# Altium PCB 机器人.PcbDoc (part 1 of 14)
Units mm, origin at the board's own origin, x right, y up, seen from the top; angles counter-clockwise.
Board outline 84 x 74 mm, 2 copper layers (Top Layer, Bottom Layer); 122 components, 143 nets, 23128 pads, 621 vias.
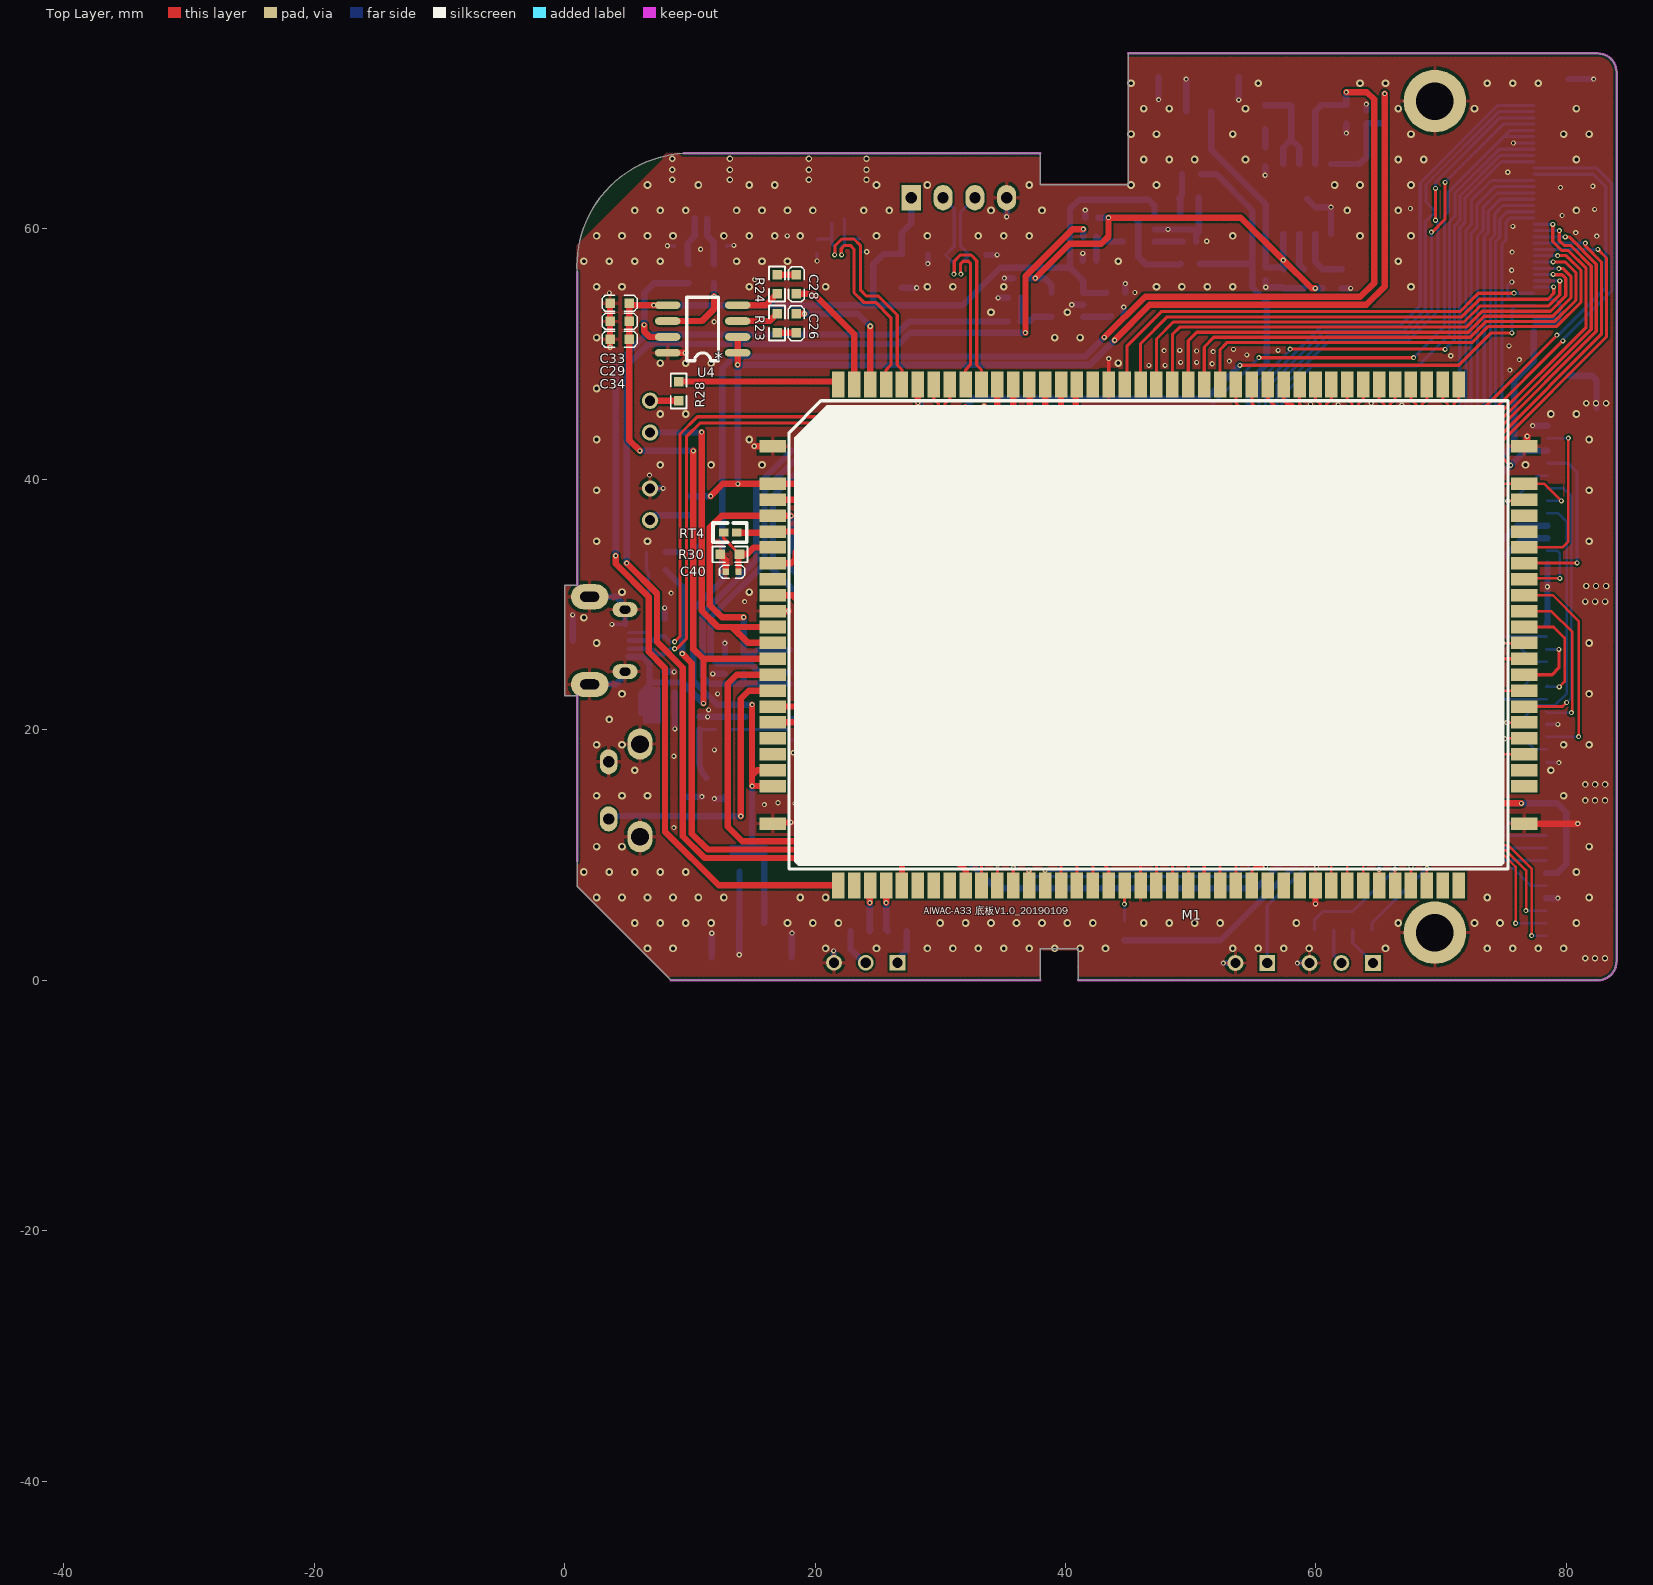
[diagram p0: Top Layer view]
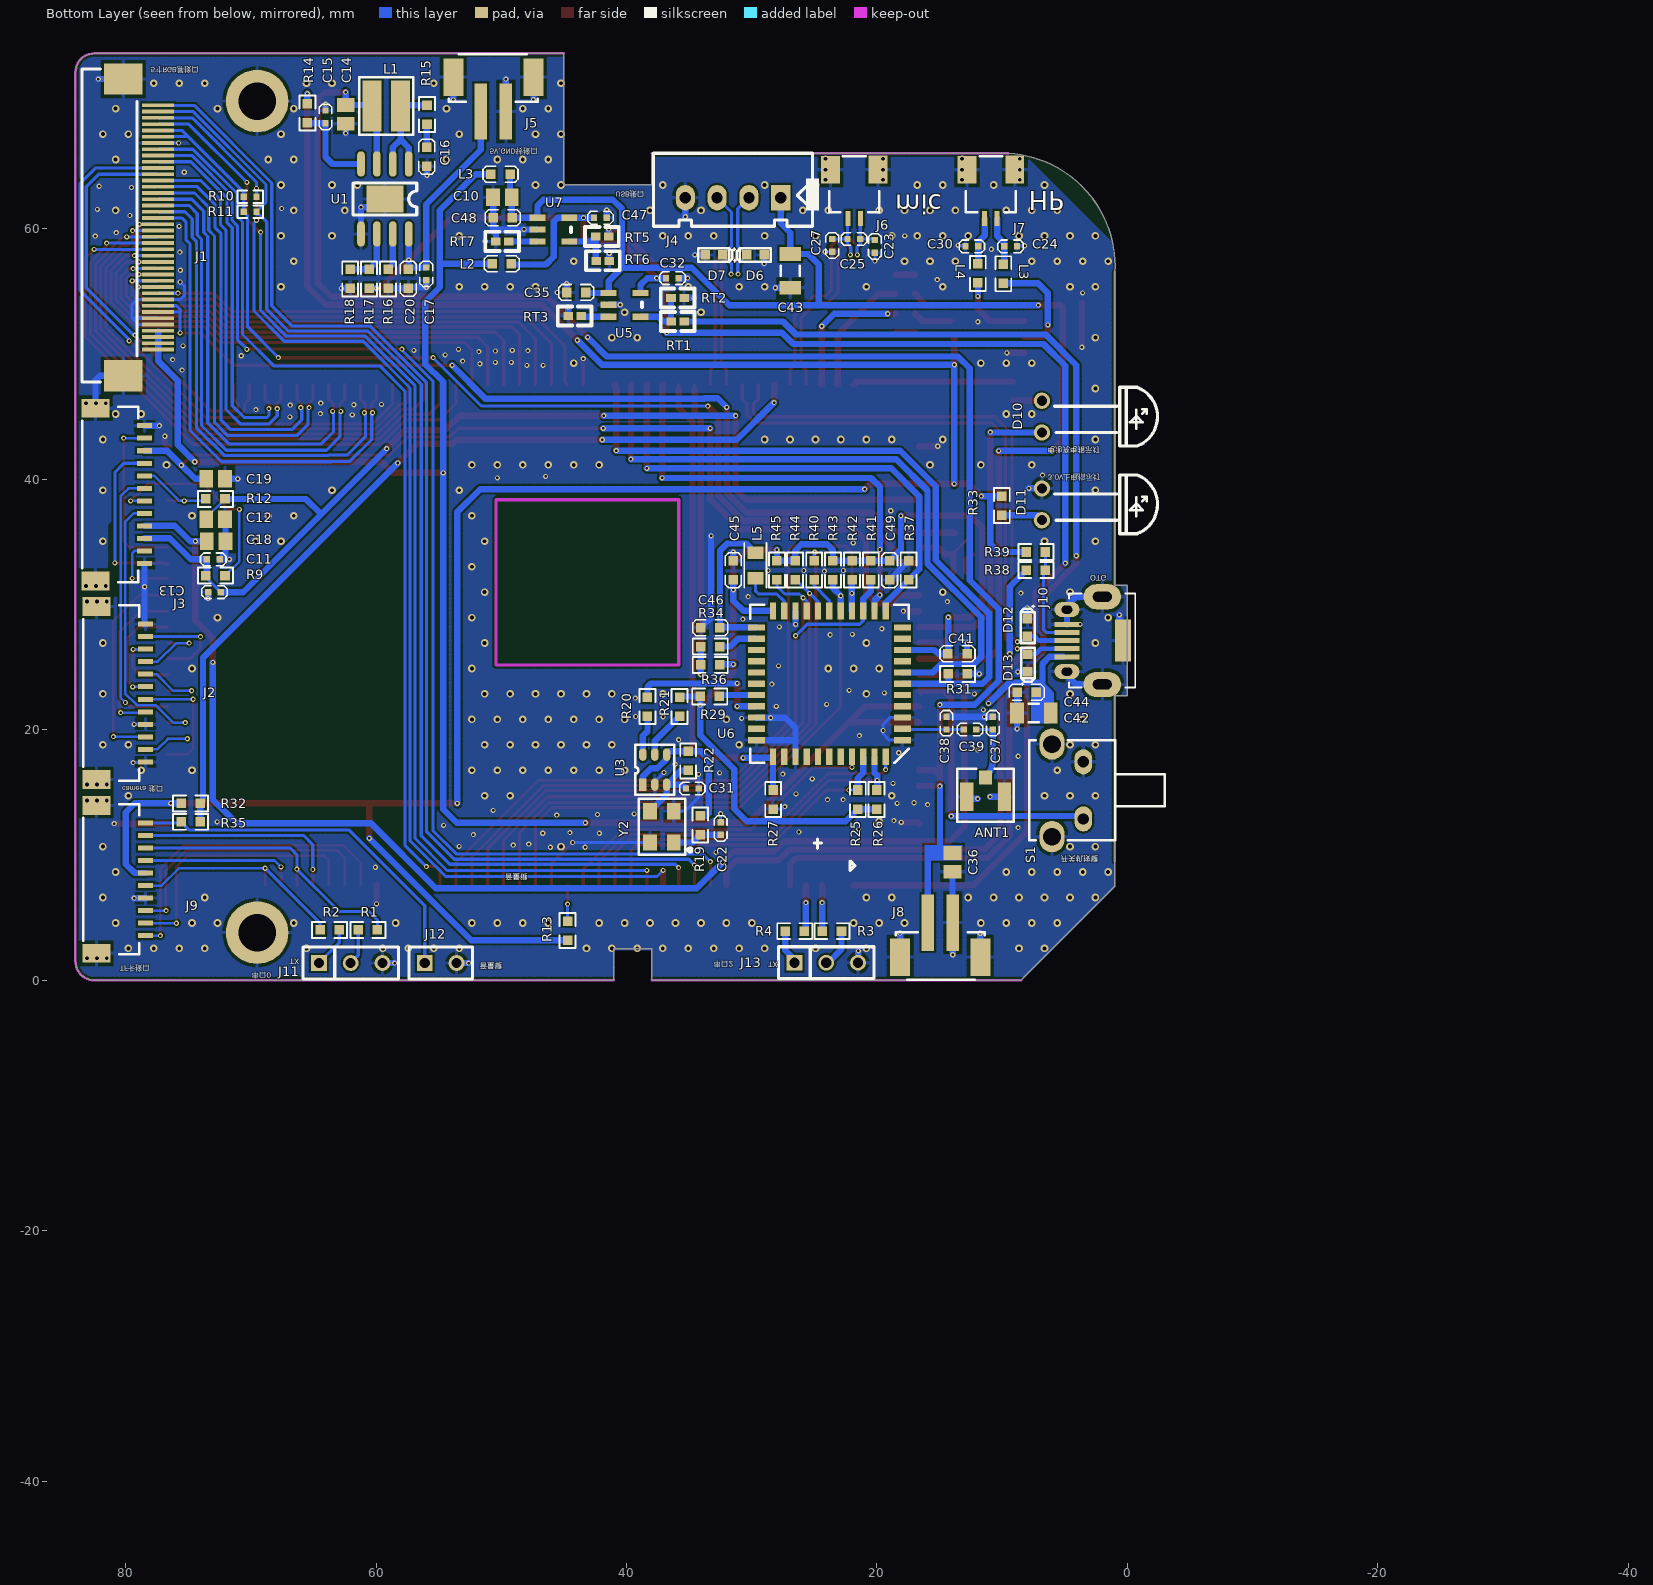
[diagram p1: Bottom Layer view, seen from below]
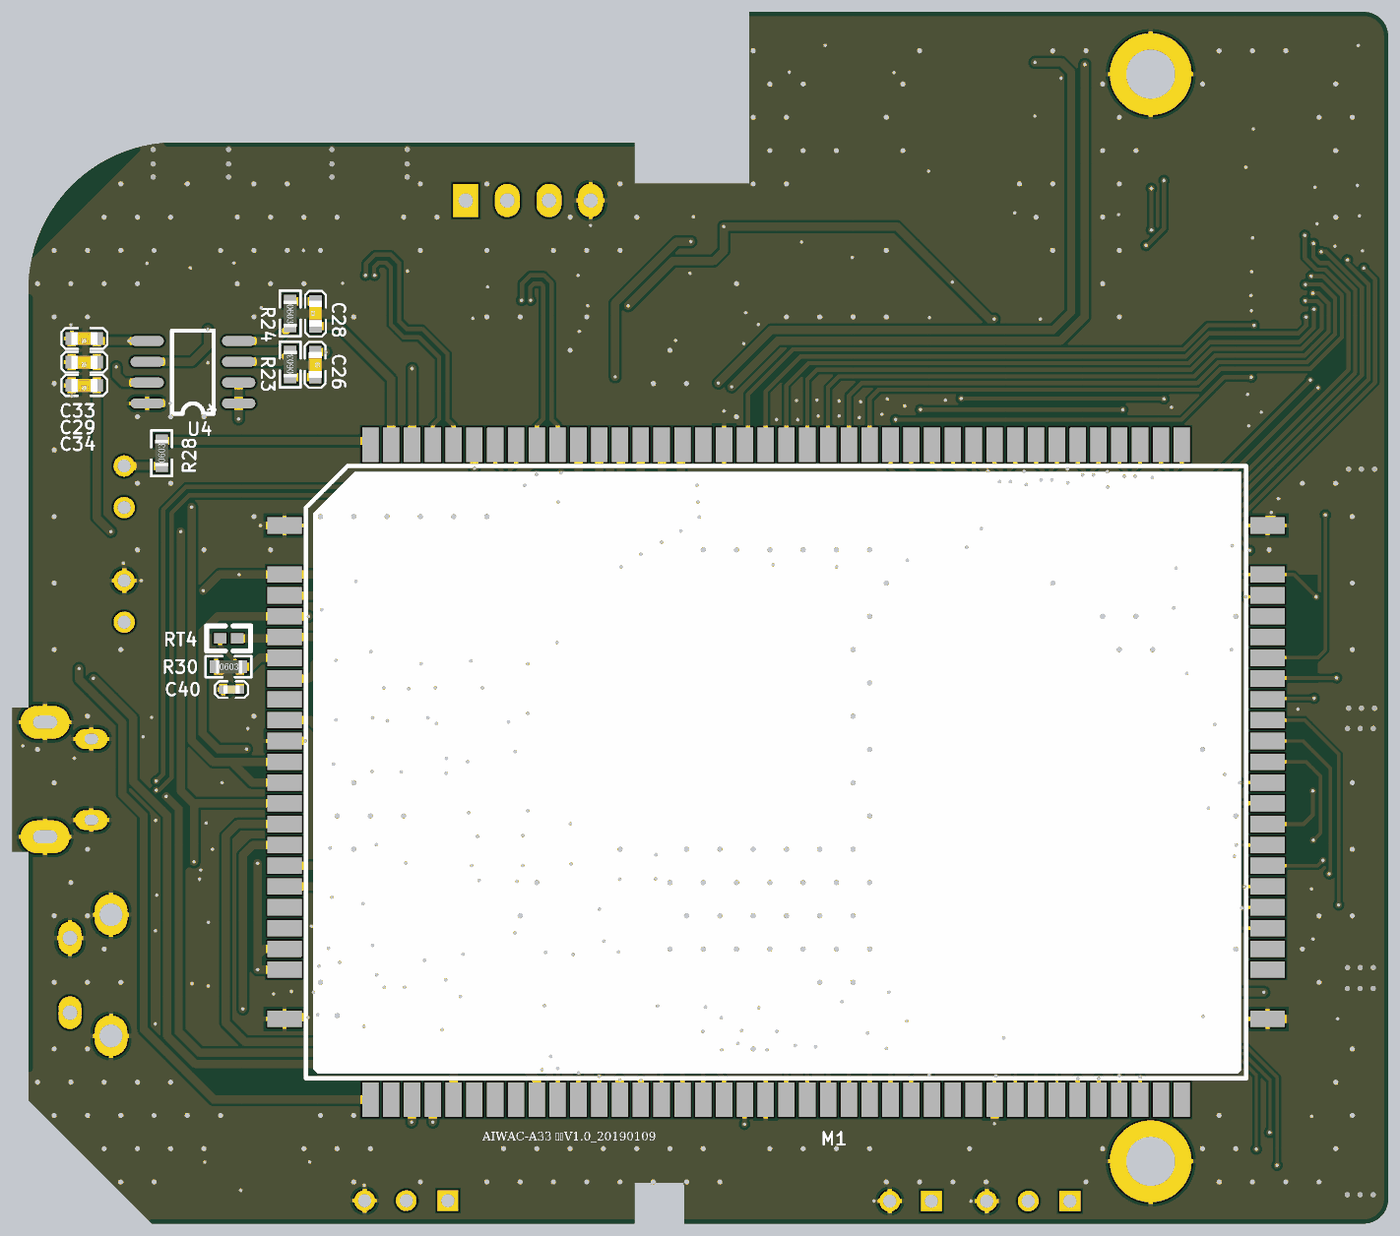
[diagram p15: 3D render of the assembled board from above, using the file's embedded part models]
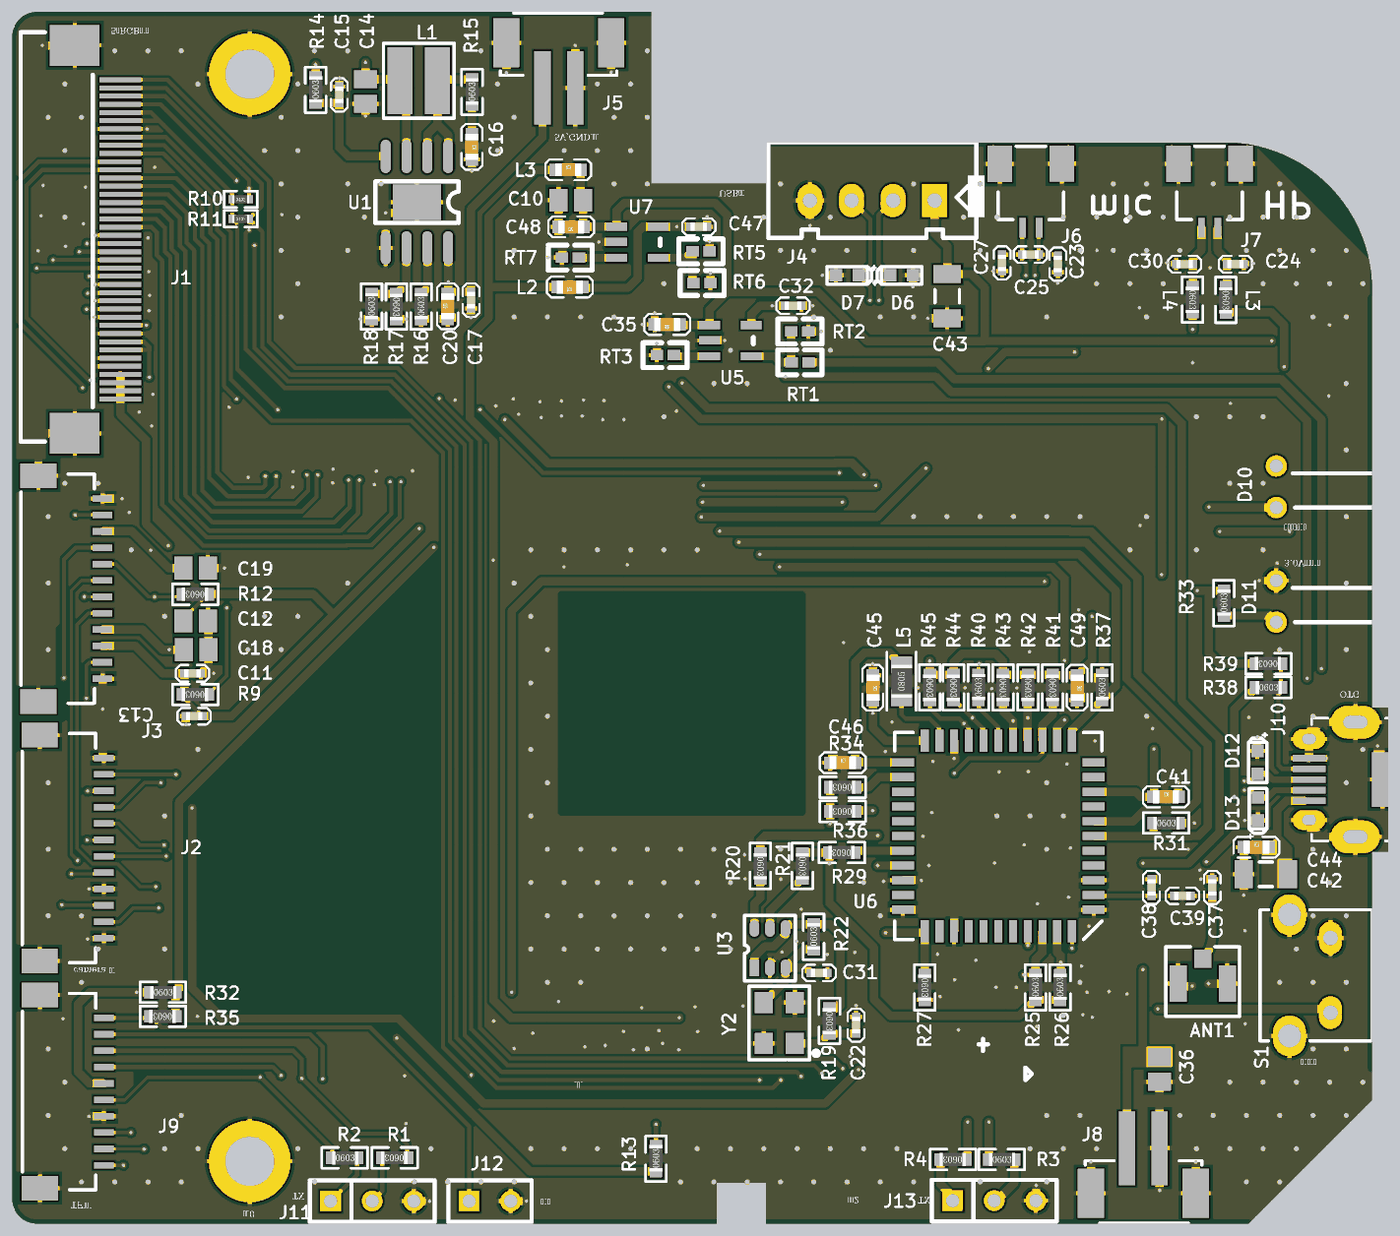
[diagram p16: 3D render of the assembled board from below, using the file's embedded part models]

## Layer stack, top to bottom
Top Solder: solder mask 0.0102, Solder Resist, Dk 3.5
Top Layer: signal copper 0.0356
Dielectric 1: dielectric 0.32, FR-4, Dk 4.8
Bottom Layer: signal copper 0.0356
Bottom Solder: solder mask 0.0102, Solder Resist, Dk 3.5

## Board outline
1,7.5 1,22.72 0,22.72 0,31.52 1,31.52 1,56.52 cw(c10,57.02) 9.5,66.02 38,66.02 38,63.52 45,63.52 45,74 82.5,74 cw(c82.5,72.5) 84,72.5 84,1.5 cw(c82.5,1.5) 82.5,0 41,0 41,2.5 38,2.5 38,0 8.5,0

## Design rules (kind name [scope] priority, off if disabled: settings)
Clearance Clearance_1 [All] p1: gap=0.152 ignorepadtopadclearanceinfootprint=FALSE except(0: Arc-Hole Track-Hole SMDPad-Hole THPad-Hole Via-Hole Fill-Hole Poly-Hole Region-Hole Text-Hole)
DiffPairsRouting [All] p1: maxlimit=0.254 minlimit=0.254 mostfreqgap=0.254 toplayer_minwidth=0.254 toplayer_maxwidth=0.381 toplayer_prefwidth=0.254 bottomlayer_minwidth=0.254 bottomlayer_maxwidth=0.381 bottomlayer_prefwidth=0.254 maxuncoupledlength=12.7
MinimumSolderMaskSliver [All] p1: minsoldermaskwidth=0.051
PlaneConnect [All] p1: planeconnectstyle=Direct reliefexpansion=0.508 reliefentries=4 reliefconductorwidth=0.254 reliefairgap=0.254
PolygonConnect PolygonConnect_2 [IsVia] p1: connectstyle=Direct reliefconductorwidth=0.254 reliefentries=4 polygonreliefangle="90 Angle" airgapwidth=0.254
PolygonConnect [All] p2: connectstyle=Relief reliefconductorwidth=0.254 reliefentries=4 polygonreliefangle="90 Angle" airgapwidth=0.254
RoutingVias [All] p1: holewidth=0.203 width=0.406 viastyle="Through Hole" minholewidth=0.203 minwidth=0.406 maxholewidth=0.203 maxwidth=0.406
SilkToSilkClearance [All] p1: silktosilkclearance=0.051
SilkToSolderMaskClearance [IsPad] p1: minsilkscreentomaskgap=0.051 clearancetoexposedcopper=TRUE
SolderMaskExpansion [All] p1: expansion=0.102
Width [All] p1: maxlimit=0.508 minlimit=0.152 preferedwidth=0.254 minimp=50.000000 maximp=50.000000 favimp=50.000000
25 further rules are at their usual default settings.

## Classes and differential pairs
differential pair NewDifferentialPair3: +MIC+ -MIC-
differential pair NewDifferentialPair2: +USB-DM1 -USB-DP1
differential pair NewDifferentialPair1: +USB-DM0 -USB-DP0

## Components (designator, comment, footprint, x,y, rotation, side; value= is the part's Value field where it differs from the comment)
ANT1 "IPEX" J-IPEX 12.828,14.655 r90 bottom locked
C10 "226K25V" C0805 49.911,62.501 r180 bottom locked
C11 "104J10V" C0402 73.508,33.604 r180 bottom locked
C12 "226M50V" C0805 72.808,36.805 r180 bottom locked
C13 "104J10V" C0402 72.39,30.988 r0 bottom
C14 "226K25V" C0805 62.433,69.139 r90 bottom locked
C15 "1NF" C0402 64.033,68.428 r90 bottom locked
C16 "2.2NF" C0603 55.944,66.523 r270 bottom locked
C17 "0.1UF" C0402 55.994,56.909 r270 bottom locked
C18 "226M50V" C0805 72.771,35.052 r180 bottom locked
C19 "226M50V" C0805 72.81,40.03 r180 bottom locked
C20 "22UF" C0603 57.417,55.258 r90 bottom locked
C22 "220J10V" C0402 32.487,11.608 r90 bottom locked
C23 "33PF" C0402 20.168,58.092 r90 bottom locked
C24 "1NF" C0402 9.837,58.598 r180 bottom
C25 "100PF" C0402 21.336,59.184 r0 bottom locked
C26 "4.7NF" C0603 18.491,53.219 r270 top locked
C27 "33PF" C0402 23.571,59.184 r270 bottom locked
C28 "4.7NF" C0603 18.517,54.806 r90 top locked
C29 "10UF" C0603 5.156,52.61 r180 top locked
C30 "1NF" C0402 11.92,58.598 r0 bottom
C31 "220J10V" C0402 35.255,15.303 r180 bottom locked
C32 "104J10V" C0402 35.827,56.058 r0 bottom locked
C33 "10UF" C0603 5.156,54.057 r180 top locked
C34 "1uf" C0603 5.156,51.187 r180 top locked
C35 "10UF" C0603 43.256,54.915 r0 bottom locked
C36 "226K25V" C0805 13.97,9.41 r270 bottom locked
C37 "NC" C0402 10.744,21.031 r270 bottom locked
C38 "NC" C0402 14.453,21.031 r270 bottom locked
C39 "330J10V" C0402 13.076,20.016 r180 bottom locked
C40 "104J10V" C0402 13.894,32.614 r180 top locked
C41 "106K50V" C0603 14.333,26.061 r180 bottom locked
C42 "220UF 20%" C1206 7.468,21.336 r0 bottom locked
C43 "220UF 20%" C1206 26.924,56.642 r270 bottom locked
C44 "106K50V" C0603 8.814,22.987 r180 bottom locked
C45 "475K16V" C0603 31.465,33.491 r270 bottom locked
C46 "475K16V" C0603 34.061,28.143 r180 bottom locked
C47 "104J10V" C0402 41.58,60.884 r0 bottom locked
C48 "10UF" C0603 49.118,60.876 r0 bottom locked
C49 "105K16V" C0603 18.994,33.491 r270 bottom locked
D6 "ESDA_TR1/0603" HS_0603D 29.718,57.912 r180 bottom locked
D7 "ESDA_TR1/0603" HS_0603D 33.02,57.912 r0 bottom locked
D10 "发光二极管" LEDΦ5-H12 6.833,45 r270 bottom locked
D11 "发光二极管" LEDΦ5-H12 6.833,38 r270 bottom locked
D12 "ESDA_TR1/0603" HS_0603D 7.988,28.169 r270 bottom locked
D13 "ESDA_TR1/0603" HS_0603D 7.95,25.324 r90 bottom locked
J1 "LCD_40P" "LCD P40" 80.188,48.258 r90 bottom locked
J2 "SH1.0-T-1-LT-12A_卧式" J-SH1.0-T-1-LT-12A_卧式 78.41,28.435 r270 bottom locked
J3 "SH1.0-T-1-LT-12A_卧式" J-SH1.0-T-1-LT-12A_卧式 78.486,44.278 r270 bottom locked
J4 "XH2.54-4P" XH2.54-4P 27.686,62.484 r0 bottom locked
J5 "S2.54-2P" J-SH2.0-T-1-LT-2A_立式 49.632,69.367 r0 bottom locked
J6 "SH1.0-T-1-LT-2A_卧式" J-SH1.0-T-1-LT-2A_卧式 21.314,60.819 r0 bottom locked
J7 "SH1.0-T-1-LT-2A_卧式" J-SH1.0-T-1-LT-2A_卧式 10.405,60.819 r0 bottom locked
J8 "S2.54-2P" J-SH2.0-T-1-LT-2A_立式 15.951,4.597 r180 bottom locked
J9 "SH1.0-T-1-LT-10A_卧式" J-SH1.0-T-1-LT-10A_卧式 78.401,12.559 r270 bottom locked
J10 "USB-MINI-SOCKET" MICROUSB-B-H4 3,27.12 r0 bottom locked
J11 "S2.54-3P" S2.54-3P 64.567,1.372 r180 bottom locked
J12 "S2.54-2P" S2.54-2P 56.109,1.372 r180 bottom locked
J13 "S2.54-3P" S2.54-3P 26.594,1.397 r180 bottom locked
L1 "3.3uH" LSMD3521 60.325,69.799 r180 bottom locked
L2 "10uH" C0603 49.2,57.201 r0 bottom locked
L3 "120R" R0603 9.914,57.175 r270 bottom
L3 "10uH NC" C0603 50.825,64.356 r180 bottom locked
L4 "120R" R0603 11.951,57.2 r270 bottom
L5 "3.3uH" L0805 29.713,32.106 r90 bottom locked
M1 "A33 CORE2" A33-CORE2 16.629,39.635 r0 top locked
R1 "22R" R0603 59.893,4.013 r0 bottom locked
R2 "22R" R0603 64.465,4.013 r180 bottom locked
R3 "22R" R0603 24.359,3.912 r180 bottom locked
R4 "22R" R0603 25.806,3.912 r0 bottom locked
R9 "100KF" R0603 72.06,32.309 r0 bottom locked
R10 "4.7KF" R0402 70.561,62.56 r180 bottom locked
R11 "4.7KF" R0402 70.561,61.366 r180 bottom locked
R12 "100KF" R0603 72.06,38.43 r0 bottom locked
R13 "10k" R0603 44.704,3.2 r90 bottom locked
R14 "10K" R0603 65.481,68.478 r90 bottom locked
R15 "1.5R" R0603 55.931,68.351 r90 bottom locked
R16 "43K" R0603 59.042,55.245 r90 bottom locked
R17 "73K" R0603 60.554,56.769 r270 bottom locked
R18 "10K" R0603 62.065,55.245 r90 bottom locked
R19 "100RF" R0603 34.112,13.144 r270 bottom locked
R20 "470RF" R0603 38.329,22.606 r270 bottom locked
R21 "3KF" R0603 35.763,22.606 r270 bottom locked
R22 "560KF" R0603 35.077,16.751 r90 bottom locked
R23 "150K" R0603 16.967,51.707 r90 top locked
R24 "150K" R0603 16.967,56.343 r270 top locked
R25 "10KF" R0603 21.534,13.666 r90 bottom locked
R26 "10KF" R0603 20.035,13.666 r90 bottom locked
R27 "100KF" R0603 28.29,15.19 r270 bottom locked
R28 "2.49KF" R0603 9.119,46.279 r90 top locked
R29 "0R" R0603 32.588,22.657 r0 bottom locked
R30 "10KF" R0603 12.446,34.011 r0 top locked
R31 "100KF" R0603 14.32,24.461 r180 bottom locked
R32 "100KF" R0603 75.565,14.122 r180 bottom locked
R33 "100R" R0603 10.033,37.135 r90 bottom locked
R34 "0R" R0603 32.55,26.645 r0 bottom locked
R35 "6.8KF" R0603 74.041,12.649 r0 bottom locked
R36 "10KF" R0603 32.55,25.172 r0 bottom locked
R37 "100KF" R0603 17.47,31.979 r90 bottom locked
R38 "1KF" R0603 8.077,32.747 r180 bottom locked
R39 "47KF" R0603 6.553,34.194 r0 bottom locked
R40 "33RF" R0603 25.014,31.979 r90 bottom locked
R41 "33KF" R0603 20.493,33.503 r270 bottom locked
R42 "33KF" R0603 21.991,33.503 r270 bottom locked
R43 "33KF" R0603 23.515,33.503 r270 bottom locked
R44 "33KF" R0603 26.538,33.503 r270 bottom locked
R45 "33KF" R0603 27.986,33.503 r270 bottom locked
RT1 "4.7K" 0402 36.424,52.603 r180 bottom locked
RT2 "100K" 0402 35.408,54.483 r0 bottom locked
RT3 "6.8K" 0402 44.653,53.035 r180 bottom locked
RT4 "10KF" 0402 12.7,35.738 r0 top locked
RT5 "4.7K" 0402 42.469,59.377 r180 bottom locked
RT6 "100K" 0402 41.377,57.447 r0 bottom locked
RT7 "6.8K" 0402 50.444,58.996 r180 bottom locked
S1 "KSMD6X6-4P" SW2-6*6H 4.775,15.16 r90 bottom locked
U1 "FP6267B" U-SOP-8N-1 57.391,65.176 r270 bottom locked
U3 "NL27WZU04" U-TSOP-6 38.694,15.621 r90 bottom locked
U4 "CS8508E" SO-8 13.823,50.095 r180 top locked
U5 "AP2191WG-7" SOT23-5 40.157,53.924 r180 bottom locked
U6 "AP6210" AP6210 17.978,19.17 r0 bottom locked
U7 "AP2191WG-7" SOT23-5 45.842,59.937 r180 bottom locked
Y2 "26MHz" Y-CPX-32GA-4P 36.225,11 r90 bottom locked

## Footprints (in the part's own frame and the unit in brackets; to place one, negate y for a bottom-side part, rotate by r counter-clockwise, add the part's x,y. Pads: shape width x height; smd on the part's side, far side on the other; paste and mask are expansions set on the pad)
0402 [mil]
  rect 30x25 smd: 1(0,0) 2(41,0)
  silkscreen extent -33,-30 73,30
A33-CORE2 [mm]
  rect 2.1x1 smd: 1(0,0) 2(0,-1.27) 3(0,-2.54) 4(0,-3.81) 5(0,-5.08) 6(0,-6.35) 7(0,-7.62) 8(0,-8.89) 9(0,-10.16) 10(0,-11.43) 11(0,-12.7) 12(0,-13.97) 13(0,-15.24) 14(0,-16.51) 15(0,-17.78) 16(0,-19.05) 17(0,-20.32) 18(0,-21.59) 19(0,-22.86) 20(0,-24.13) 61(60,-24.13) 62(60,-22.86) 63(60,-21.59) 64(60,-20.32) 65(60,-19.05) 66(60,-17.78) 67(60,-16.51) 68(60,-15.24) 69(60,-13.97) 70(60,-12.7) 71(60,-11.43) 72(60,-10.16) 73(60,-8.89) 74(60,-7.62) 75(60,-6.35) 76(60,-5.08) 77(60,-3.81) 78(60,-2.54) 79(60,-1.27) 80(60,0) 121(0,3) 122(0,-27.13) 123(60,-27.13) 124(60,3)
  rect 1x2.1 smd: 21(5.235,-32.065) 22(6.505,-32.065) 23(7.775,-32.065) 24(9.045,-32.065) 25(10.315,-32.065) 26(11.585,-32.065) 27(12.855,-32.065) 28(14.125,-32.065) 29(15.395,-32.065) 30(16.665,-32.065) 31(17.935,-32.065) 32(19.205,-32.065) 33(20.475,-32.065) 34(21.745,-32.065) 35(23.015,-32.065) 36(24.285,-32.065) 37(25.555,-32.065) 38(26.825,-32.065) 39(28.095,-32.065) 40(29.365,-32.065) 41(30.635,-32.065) 42(31.905,-32.065) 43(33.175,-32.065) 44(34.445,-32.065) 45(35.715,-32.065) 46(36.985,-32.065) 47(38.255,-32.065) 48(39.525,-32.065) 49(40.795,-32.065) 50(42.065,-32.065) 51(43.335,-32.065) 52(44.605,-32.065) 53(45.875,-32.065) 54(47.145,-32.065) 55(48.415,-32.065) 56(49.685,-32.065) 57(50.955,-32.065) 58(52.225,-32.065) 59(53.495,-32.065) 60(54.765,-32.065) 81(54.765,7.935) 82(53.495,7.935) 83(52.225,7.935) 84(50.955,7.935) 85(49.685,7.935) 86(48.415,7.935) 87(47.145,7.935) 88(45.875,7.935) 89(44.605,7.935) 90(43.335,7.935) 91(42.065,7.935) 92(40.795,7.935) 93(39.525,7.935) 94(38.255,7.935) 95(36.985,7.935) 96(35.715,7.935) 97(34.445,7.935) 98(33.175,7.935) 99(31.905,7.935) 100(30.635,7.935) 101(29.365,7.935) 102(28.095,7.935) 103(26.825,7.935) 104(25.555,7.935) 105(24.285,7.935) 106(23.015,7.935) 107(21.745,7.935) 108(20.475,7.935) 109(19.205,7.935) 110(17.935,7.935) 111(16.665,7.935) 112(15.395,7.935) 113(14.125,7.935) 114(12.855,7.935) 115(11.585,7.935) 116(10.315,7.935) 117(9.045,7.935) 118(7.775,7.935) 119(6.505,7.935) 120(5.235,7.935)
  Keep-Out Layer lines w0.254: 19.2,-14.465 33.8,-14.465 33.8,-1.265 19.2,-1.265 19.2,-14.465
  silkscreen extent 1.3,-30.76 58.7,6.63, body extent 0,-32.06 59.69,7.94, height 1.5
AP6210 [mm]
  rect 1.35x0.5 smd: 1(0,0) 2(0,-0.9) 3(0,-1.8) 4(0,-2.7) 5(0,-3.6) 6(0,-4.5) 7(0,-5.4) 8(0,-6.3) 9(0,-7.2) 10(0,-8.1) 11(0,-9) 23(11.65,-9) 24(11.65,-8.1) 25(11.65,-7.2) 26(11.65,-6.3) 27(11.65,-5.4) 28(11.65,-4.5) 29(11.65,-3.6) 30(11.65,-2.7) 31(11.65,-1.8) 32(11.65,-0.9) 33(11.65,0)
  rect 0.5x1.35 smd: 12(1.325,-10.325) 13(2.225,-10.325) 14(3.125,-10.325) 15(4.025,-10.325) 16(4.925,-10.325) 17(5.825,-10.325) 18(6.725,-10.325) 19(7.625,-10.325) 20(8.525,-10.325) 21(9.425,-10.325) 22(10.325,-10.325) 34(10.325,1.325) 35(9.425,1.325) 36(8.525,1.325) 37(7.625,1.325) 38(6.725,1.325) 39(5.825,1.325) 40(4.925,1.325) 41(4.025,1.325) 42(3.125,1.325) 43(2.225,1.325) 44(1.325,1.325)
  silkscreen extent -0.5,-10.83 12.15,1.83
C0402 [mil]
  rect 20x20 smd: 1(0,0) 2(40,0)
  silkscreen extent -20,-20 60,20, body extent 0,-10 40,10, height 20
C0603 [mil]
  rect 30x30 smd: 1(0,0) 2(60,0)
  silkscreen extent -25,-25 85,25, body extent -1,-15 61,16, height 12
C0805 [mm] "Chip Capacitor, Body 2.0x1.3mm, IPC High Density"
  rect 1.1x1.4 smd: 1(-0.75,0) 2(0.75,0)
  body extent -1.1,-0.72 1.1,0.72, height 1.4
C1206 [mm] "Chip Capacitor, Body 3.2x1.6mm, IPC High Density"
  rect 1.1x1.7 smd: 1(-1.35,0) 2(1.35,0)
  silkscreen extent -0.4,-0.75 0.4,0.75, body extent -1.7,-0.9 1.7,0.9, height 1.3
HS_0603D [mil]
  rect 30x30 smd: 1(-27.5,0) 2(27.5,0)
  silkscreen extent -70,-21 49,23
J-IPEX [mm]
  rect 1.1x1.05 smd: 1(1.525,-1.5)
  rect 2.25x1.05 smd: 2(0,0) 3(0,-3)
  Top Layer pour cut-out: -1.125,-0.525 -1.125,-2.475 0.975,-2.475 0.975,-0.525
  silkscreen extent -2,-3.75 2.25,0.75
J-SH1.0-T-1-LT-2A_卧式 [mm]
  rect 0.4x1.2 smd: 1(0,0) 2(1,0)
  rect 1.5x2.22 smd: 3(-1.4,-3.92) 4(2.4,-3.9)
  silkscreen extent -1.5,-4.98 2.5,-0.5, body extent -1.5,-4.9 2.5,-0.5, height 3.05
J-SH1.0-T-1-LT-10A_卧式 [mm]
  rect 0.4x1.2 smd: 1(0,0) 2(1,0) 3(2,0) 4(3,0) 5(4,0) 6(5,0) 7(6,0) 8(7,0) 9(8,0) 10(9,0)
  rect 1.5x2.22 smd: 11(-1.4,-3.92) 12(10.4,-3.92)
  silkscreen extent -1.5,-4.98 10.5,-0.5
J-SH1.0-T-1-LT-12A_卧式 [mm]
  rect 0.4x1.2 smd: 1(0,0) 2(1,0) 3(2,0) 4(3,0) 5(4,0) 6(5,0) 7(6,0) 8(7,0) 9(8,0) 10(9,0) 11(10,0) 12(11,0)
  rect 1.5x2.22 smd: 13(-1.4,-3.92) 14(12.4,-3.92)
  silkscreen extent -1.5,-4.98 12.5,-0.5
J-SH2.0-T-1-LT-2A_立式 [mm]
  rect 1x4.5 smd: 1(0,0) 2(2,0)
  rect 1.6x3 smd: 3(-2.2,-2.75) 4(4.2,-2.75)
  silkscreen extent -2.54,-4.57 4.57,-0.76
L0805 [mil]
  rect 40x50 smd: 1(0,0) 2(80,0)
  silkscreen extent -30,-35 110,35, body extent 1,-25 79,25, height 22
"LCD P40" [mm] "0.5MM 下接"
  rect 0.3x2.54 smd: 1(2.1,-2.783) 2(2.6,-2.783) 3(3.1,-2.783) 4(3.6,-2.783) 5(4.1,-2.783) 6(4.6,-2.783) 7(5.1,-2.783) 8(5.6,-2.783) 9(6.1,-2.783) 10(6.6,-2.783) 11(7.1,-2.783) 12(7.6,-2.783) 13(8.1,-2.783) 14(8.6,-2.783) 15(9.1,-2.783) 16(9.6,-2.783) 17(10.1,-2.783) 18(10.6,-2.783) 19(11.1,-2.783) 20(11.6,-2.783) 21(12.1,-2.783) 22(12.6,-2.783) 23(13.1,-2.783) 24(13.6,-2.783) 25(14.1,-2.783) 26(14.6,-2.783) 27(15.1,-2.783) 28(15.6,-2.783) 29(16.1,-2.783) 30(16.6,-2.783) 31(17.1,-2.783) 32(17.6,-2.783) 33(18.1,-2.783) 34(18.6,-2.783) 35(19.1,-2.783) 36(19.6,-2.783) 37(20.1,-2.783) 38(20.6,-2.783) 39(21.1,-2.783) 40(21.6,-2.783)
  rect 2.5x3.048 smd: 41(23.7,0) 42(0,0)
  silkscreen extent -0.5,-1.1 24.5,3.3
LEDΦ5-H12 [mm] "LEDΦ5-12mm隔空90度插件"
  round 1.3 hole 0.8: A(1.27,0) K(-1.27,0)
  silkscreen extent -2.35,1.02 2.35,9.23
LSMD3521 [mil]
  rect 60x160 smd: 1(0,0) 2(90,0)
  silkscreen extent -40,-90 130,90, body extent -15,-70 105,70, height 126
MICROUSB-B-H4 [mm]
  rect 2x0.4 smd: 1(1.83,1.3) 2(1.83,0.65) 3(1.83,0) 4(1.83,-0.65) 5(1.83,-1.3)
  oval 2x1.2 / inner round 1.524 / far side oval 2x1.2 hole 0.65 slot 0.85 at 0 deg: 6(1.83,2.475) 7(1.83,-2.475)
  oval 3x2 / inner round 1.524 / far side oval 3x2 hole 0.8 slot 1.5 at 0 deg: 8(-0.995,3.5) 9(-0.995,-3.5)
  rect 1.3x3.35 smd: 10(-2.65,0)
  silkscreen extent -3.62,-3.75 4.18,3.75
R0402 [mil]
  rect 20x20 smd: 1(0,0) 2(40,0)
  silkscreen extent -20,-20 60,20, body extent 0,-10 40,10, height 14
R0603 [mil]
  rect 30x30 smd: 1(0,0) 2(60,0)
  silkscreen extent -25,-25 85,25, body extent 0,-16 62,15, height 18
S2.54-2P [mil]
  rect 50x50 hole 32: 1(0,0)
  round 50 hole 32: 2(100,0)
  silkscreen extent -50,-50 150,50, body extent -50,-50 150,50, height 315
S2.54-3P [mil]
  rect 50x50 hole 32: 1(0,0)
  round 50 hole 32: 2(100,0) 3(200,0)
  silkscreen extent -50,-50 250,50, body extent -50,-50 250,50, height 315
SO-8 [mil]
  oval 80x24 smd: 1(0,0) 2(0,-50) 3(0,-100) 4(0,-150) 5(220,-150) 6(220,-100) 7(220,-50) 8(220,0)
  silkscreen extent 60,-175 160,25
SOT23-5 [mil]
  rect 50x20 smd: 1(-50,37.5) 2(-50,0.5) 3(-50,-37.5) 4(50,-37.5) 5(50,37.5)
  silkscreen extent 55,-8 55,7
SW2-6*6H [mm] "2脚按键-6*6 横按"
  oval 2.5x2 hole 1.4: 0(-3.7,1.25) 0(3.7,1.25)
  oval 2x1.4 hole 0.9: 1(2.28,-1.25) 2(-2.28,-1.25)
  silkscreen extent -4,-7.75 4,3.05, body extent -3.94,-7.83 4.06,3.05, height 7.1
U-SOP-8N-1 [mil]
  oval 80x24 smd: 1(0,0) 2(0,-50) 3(0,-100) 4(0,-150) 5(220,-150) 6(220,-100) 7(220,-50) 8(220,0)
  rect 85.98x116.97 smd: 9(110,-75)
  silkscreen extent 60,-175 160,25, body extent -8,-175 227,25, height 59
U-TSOP-6 [mm]
  rect 1x0.6 smd: 1(0,0)
  oval 1x0.6 smd: 2(0,-0.95) 3(0,-1.9) 4(2.4,-1.9) 5(2.4,-0.95) 6(2.4,0)
  silkscreen extent -0.8,-2.5 3.2,0.6
XH2.54-4P [mil]
  rect 60x80 hole 35: 1(0,0)
  oval 60x80 hole 35: 2(100,0) 3(200,0) 4(300,0)
  silkscreen extent -120,-140 400,90, body extent -100,-140 400,90, height 256
Y-CPX-32GA-4P [mm]
  rect 1.3x1.1 smd: 1(0,0) 2(2.5,0) 3(2.5,1.9) 4(0,1.9)
  silkscreen extent -1,-1.44 3.5,2.8

## Part data
ANT1: library part J-IPEX, "天线接口IPEX"
C10 C14 C36: library part C0805X7R-226K25V, "贴片电容-陶瓷", 生产商="风华 三星", 规格型号=22uF±10%_25V_X7R_C0805
C11 C13 C23 C25 C27 C32 C40 C47: library part C0402X7R-104J10V, "贴片电容-陶瓷", ="无编码 有封装", 生产商="风华 三星", 规格型号=100nF±5%_10V_X7R_C0402
C12 C18 C19: library part C0805Y5V-226M50V, "贴片电容-陶瓷", =无封装无编码, 生产商="风华 三星", 规格型号=22uF±20%_50V_Y5V_C0805
C15 C17: library part C0402X7R-101J10V, "贴片电容-陶瓷", 生产商="风华 三星", 规格型号=100pF±5%_10V_X7R_C0402
C16 C20 C26 C28 C29 C33 C34 C35 C48: library part C0603X7R-330J25V, "贴片电容-陶瓷", =无编码有封装, 生产商="风华 三星", 规格型号=33pF±5%_25V_X7R_C0603
C22 C24 C30 C31 C37 C38: library part C0402X7R-220J10V, "贴片电容-陶瓷", =无编码有封装, 生产商="风华 三星", 规格型号=22pF±5%_10V_X7R_C0402
C39: library part C0402X7R-330J10V, "贴片电容-陶瓷", =无编码有封装, 生产商="风华 三星", 规格型号=33pF±5%_10V_X7R_C0402
C41 C44: library part C0603X7R-106K50V, "贴片电容-陶瓷", ="无编码 有封装", 生产商="风华 三星", 规格型号=10uF±10%_50V_X7R_C0603
C42 C43: library part "C1206-A型 极性电容", "C 1206钽电容 --220UF 10V 3216 A型 有极性电容 3.2mm X 1.6mm", 参数="C 1206钽电容 --220UF 20% 10V 3216 A型 有极性 白色为正 电容 3.2mm X 1.6mm"
C45 C46: library part C0603X7R-475K16V, "贴片电容-陶瓷", =无编码有封装, 生产商="风华 三星", 规格型号=4.7uF±10%_16V_X7R_C0603
C49: library part C0603X7R-105K16V, "贴片电容-陶瓷", ="无编码 有封装", 生产商="风华 三星", 规格型号=1uF±10%_16V_X7R_C0603
D6 D7 D12 D13: library part "D Zener", "Zener Diode"
J4: library part J-XH2.54-4P, "接插件-2.54", 规格型号=XH2.54-4P, 货品编码=371015
J5 J8 J12: library part J-S2.54-2P, "单排排针-直针", 规格型号=S2.54-2P, 货品编码=372013
J10: library part J-USB-MINI-SOCKET, "USB-A卧式插座"
J11 J13: library part J-S2.54-3P, "单排排针-直针", 规格型号=S2.54-3P, 货品编码=372015
L1: "贴片电感-屏蔽"
L2 L3: library part LI-0608-10uH1A, "插件电感-工形", 规格型号=LI-0608-10uH1A, 货品编码=无样品无编码
L3 L4 R39: library part R0603-47KF, "贴片电阻-通用", 生产商="厚声 国巨", 规格型号=47K±1%_1/10W_±200ppm_R0603, 货品编码=无样品无编码
L5: library part L-0805-3.3uH, "贴片电感-层叠", 规格型号=L0805-3.3uH
R1 R2 R3 R4 R9 R12 R27 R31 R32 R37: library part R0603-100KF, "贴片电阻-通用", 生产商="厚声 国巨", 规格型号=100K±1%_1/10W_±200ppm_R0603, 货品编码=无样品无编码
R10 R11: library part R0402-4.7KF, "贴片电阻-通用"
R13 R23 R24 R25 R26 R30 R36 RT1 RT2 RT3 RT4 RT5 RT6 RT7: library part R0603-10KF, "贴片电阻-通用", 生产商="厚声 国巨"
  R13 R23 R24 R25 R26 R30 R36: 规格型号=10K±1%_1/10W_±200ppm_R0603
  RT1 RT2 RT3 RT4 RT5 RT6 RT7: 规格型号=10K±1%_1/10W_±200ppm_R0402
R14 R15 R16 R17 R18 R33: library part R0603-2KF, "贴片电阻-通用", 生产商="厚声 国巨", 规格型号=2K±1%_1/10W_±200ppm_R0603
R19: library part R0603-100RF, "贴片电阻-通用", 生产商="厚声 国巨", 规格型号=100R±1%_1/10W_±200ppm_R0603
R20: library part R0603-470RF, "贴片电阻-通用", 生产商="厚声 国巨", 规格型号=470R±1%_1/10W_±200ppm_R0603, 货品编码=无样品无编码
R21 R28: library part R0603-3KF, "贴片电阻-通用", 生产商="厚声 国巨", 规格型号=3K±1%_1/10W_±200ppm_R0603, 货品编码=无样品无编码
R22: library part R0603-560KF, "贴片电阻-通用", 生产商="厚声 国巨", 规格型号=560K±1%_1/10W_±200ppm_R0603
R29 R34: library part R0603-0R, "贴片电阻-通用", 生产商="厚声 国巨", 规格型号=0R_1/10W_±200ppm_R0603, 货品编码=无样品无编码
R35: library part R0603-6.8KF, "贴片电阻-通用", 生产商="厚声 国巨", 规格型号=6.8K±1%_1/10W_±200ppm_R0603, 货品编码=无样品无编码
R38: library part R0603-1KF, "贴片电阻-通用", 生产商="厚声 国巨", 规格型号=1K±1%_1/10W_±200ppm_R0603, 货品编码=无样品无编码
R40: library part R0603-33RF, "贴片电阻-通用", 生产商="厚声 国巨", 规格型号=33R±1%_1/10W_±200ppm_R0603, 货品编码=无样品无编码
R41 R42 R43 R44 R45: library part R0603-33KF, "贴片电阻-通用", 生产商="厚声 国巨", 规格型号=33K±1%_1/10W_±200ppm_R0603
S1: library part S-KSMD6X6-4P, "轻触按键", 规格型号="6x6 SMD贴片按键", 货品编码=232013
Y2: library part YC-26MHz, "晶振-贴片无源", 规格型号=26MHz_贴片晶振3225

## Free pads (board coordinates)
  round 5 hole 3 unplated: 0(69.5,3.8)
  round 5 hole 3: 0(69.5,70.2)